# Altium PCB LimeSDR-USB_1v4.PcbDoc (part 10 of 10)
Units mm, origin at the board's own origin, x right, y up, seen from the top; angles counter-clockwise.
Board outline 100 x 60 mm, 12 copper layers (Top, L2, L3, L4, L5, L6, L7, L8, L9, L10, L11, Bottom), stack 1.58 mm thick; 858 components, 627 nets, 4063 pads, 2099 vias.
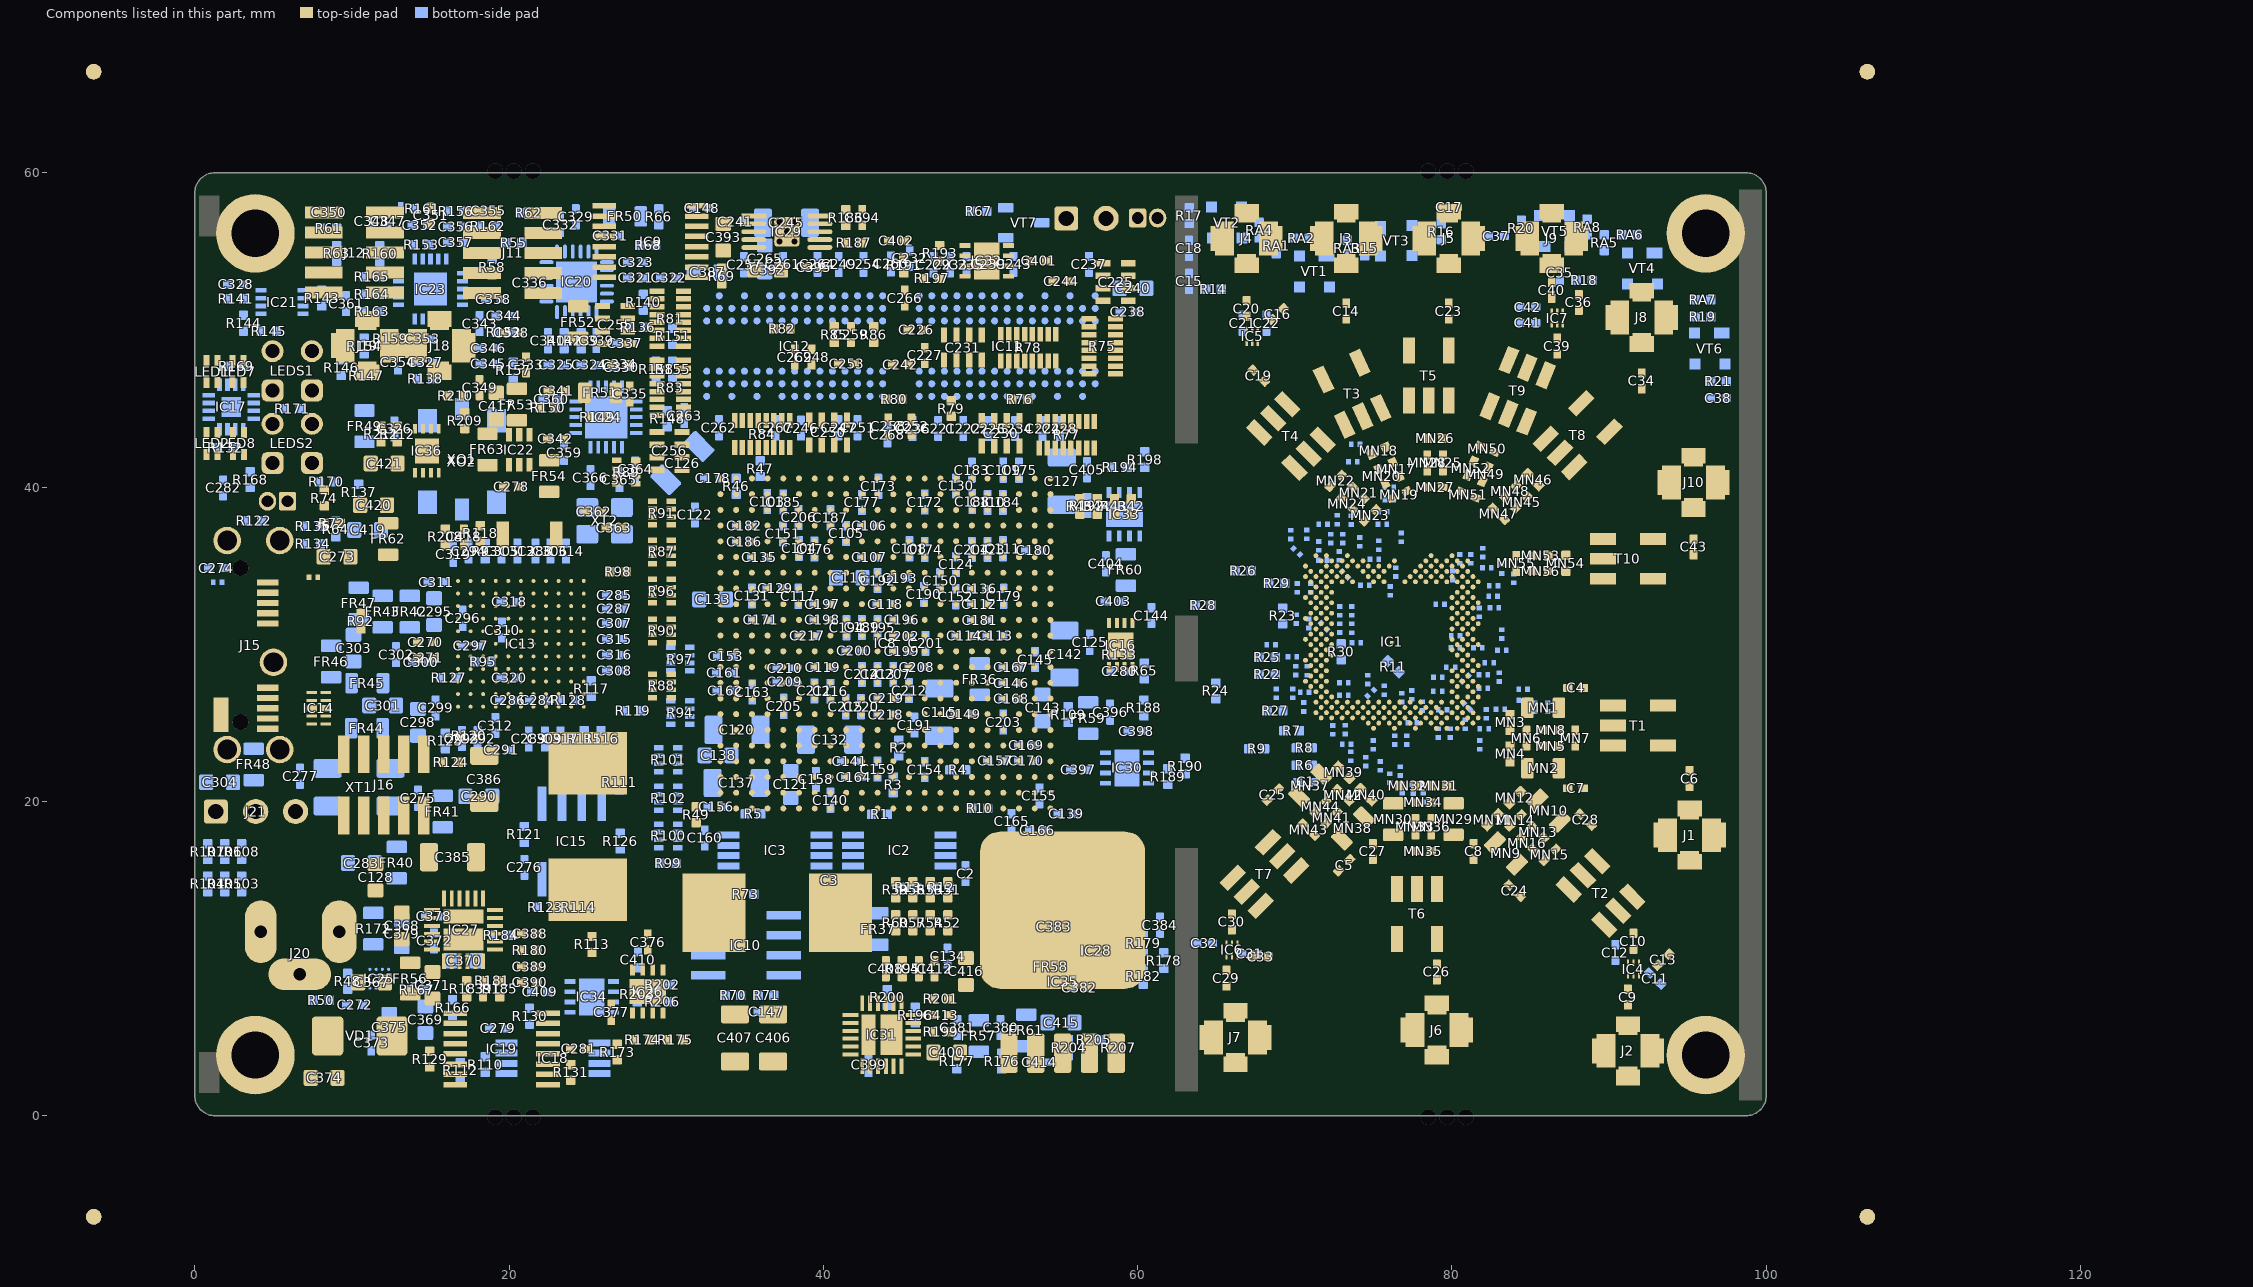
[diagram p20: the components of this part, seen from the top]

## Other copper (continued)
L10:
  pour cut-out: 72.46,44.564 73.167,43.046 73.87,43.374 73.162,44.892
  pour cut-out: 74.76,45.639 75.467,44.121 76.17,44.449 75.462,45.967
  pour cut-out: 74.84,47.311 74.132,48.829 73.43,48.501 74.138,46.983
  pour cut-out: 86.017,46.2 86.658,47.747 85.941,48.044 85.301,46.496
  pour cut-out: 84.8,43.262 85.441,44.809 84.725,45.106 84.084,43.558
  pour cut-out: 82.453,44.234 83.094,45.781 82.378,46.078 81.737,44.53
  pour cut-out: 68.665,45.582 69.85,44.398 70.398,44.946 69.213,46.13
  pour cut-out: 70.842,40.911 69.657,42.096 69.109,41.548 70.294,40.363
  pour cut-out: 72.638,42.707 71.453,43.892 70.905,43.344 72.09,42.159
  pour cut-out: 79.408,49.514 79.408,47.839 80.183,47.839 80.183,49.514
  pour cut-out: 76.868,46.334 76.868,44.659 77.643,44.659 77.643,46.334
  pour cut-out: 80.184,44.671 80.184,46.346 79.409,46.346 79.409,44.671
  pour cut-out: 90.338,44.389 89.154,43.205 89.702,42.657 90.886,43.841
  pour cut-out: 85.667,42.212 86.851,43.397 86.303,43.945 85.119,42.76
  pour cut-out: 87.463,40.416 88.647,41.601 88.099,42.149 86.915,40.964
  pour cut-out: 91.953,33.78 93.628,33.78 93.628,34.555 91.953,34.555
  pour cut-out: 88.773,33.78 90.448,33.78 90.448,34.555 88.773,34.555
  pour cut-out: 88.773,36.32 90.448,36.32 90.448,37.095 88.773,37.095
  pour cut-out: 92.604,25.705 94.279,25.705 94.279,26.48 92.604,26.48
  pour cut-out: 89.424,23.165 91.099,23.165 91.099,23.94 89.424,23.94
  pour cut-out: 89.424,25.705 91.099,25.705 91.099,26.48 89.424,26.48
  pour cut-out: 88.378,16.499 89.562,15.315 90.11,15.863 88.926,17.047
  pour cut-out: 86.582,14.703 87.766,13.518 88.314,14.066 87.13,15.251
  pour cut-out: 89.728,13.352 90.913,12.168 91.461,12.716 90.276,13.9
  pour cut-out: 78.662,15.255 78.662,13.58 79.437,13.58 79.437,15.255
  pour cut-out: 76.122,15.255 76.122,13.58 76.897,13.58 76.897,15.255
  pour cut-out: 78.662,12.075 78.662,10.4 79.437,10.4 79.437,12.075
  pour cut-out: 67.258,15.113 66.073,13.928 66.621,13.38 67.806,14.565
  pour cut-out: 68.608,18.259 67.424,17.075 67.972,16.527 69.156,17.711
  pour cut-out: 70.404,16.463 69.22,15.279 69.768,14.731 70.952,15.915
  region net VCC1P25_LMS: 61.55,41.925 62.5,41.925 62.975,42.4 62.975,42.825 62.925,42.875 61.55,42.875
  region net VCC1P25_LMS: 64.025,35.425 63.5,34.9 63.5,34.625 63.575,34.55 64.55,34.55 65.075,35.075 65.075,35.425
  text "A" at 96.25,8.825 h0.7
  text "V" at 97.25,8.825 h0.7
  text "L" at 96.725,8.25 h0.7
  text "D" at 96.5,6.925 h0.7
  text "R" at 97.05,6.925 h0.7
L6:
  pour cut-out: 66.144,53.625 66.144,54.825 67.719,54.825 67.719,53.625
  pour cut-out: 72.485,53.625 72.485,54.825 74.06,54.825 74.06,53.625
  pour cut-out: 79.01,53.625 79.01,54.825 80.585,54.825 80.585,53.625
  pour cut-out: 85.56,53.625 85.56,54.825 87.135,54.825 87.135,53.625
  pour cut-out: 91.285,48.6 91.285,49.8 92.86,49.8 92.86,48.6
  pour cut-out: 94.585,38.1 94.585,39.3 96.16,39.3 96.16,38.1
  pour cut-out: 94.335,20.05 94.335,18.85 95.91,18.85 95.91,20.05
  pour cut-out: 90.41,6.325 90.41,5.125 91.985,5.125 91.985,6.325
  pour cut-out: 65.435,7.175 65.435,5.975 67.01,5.975 67.01,7.175
  pour cut-out: 78.25,7.65 78.25,6.45 79.825,6.45 79.825,7.65
  pour cut-out: 72.46,44.564 73.167,43.046 73.87,43.374 73.162,44.892
  pour cut-out: 74.76,45.639 75.467,44.121 76.17,44.449 75.462,45.967
  pour cut-out: 74.84,47.311 74.132,48.829 73.43,48.501 74.138,46.983
  pour cut-out: 86.017,46.2 86.658,47.747 85.941,48.044 85.301,46.496
  pour cut-out: 84.8,43.262 85.441,44.809 84.725,45.106 84.084,43.558
  pour cut-out: 82.453,44.234 83.094,45.781 82.378,46.078 81.737,44.53
  pour cut-out: 68.665,45.582 69.85,44.398 70.398,44.946 69.213,46.13
  pour cut-out: 70.842,40.911 69.657,42.096 69.109,41.548 70.294,40.363
  pour cut-out: 72.638,42.707 71.453,43.892 70.905,43.344 72.09,42.159
  pour cut-out: 79.408,49.514 79.408,47.839 80.183,47.839 80.183,49.514
  pour cut-out: 76.868,46.334 76.868,44.659 77.643,44.659 77.643,46.334
  pour cut-out: 80.184,44.671 80.184,46.346 79.409,46.346 79.409,44.671
  pour cut-out: 90.338,44.389 89.154,43.205 89.702,42.657 90.886,43.841
  pour cut-out: 85.667,42.212 86.851,43.397 86.303,43.945 85.119,42.76
  pour cut-out: 87.463,40.416 88.647,41.601 88.099,42.149 86.915,40.964
  pour cut-out: 91.953,33.78 93.628,33.78 93.628,34.555 91.953,34.555
  pour cut-out: 88.773,33.78 90.448,33.78 90.448,34.555 88.773,34.555
  pour cut-out: 88.773,36.32 90.448,36.32 90.448,37.095 88.773,37.095
  pour cut-out: 92.604,25.705 94.279,25.705 94.279,26.48 92.604,26.48
  pour cut-out: 89.424,23.165 91.099,23.165 91.099,23.94 89.424,23.94
  pour cut-out: 89.424,25.705 91.099,25.705 91.099,26.48 89.424,26.48
  pour cut-out: 88.378,16.499 89.562,15.315 90.11,15.863 88.926,17.047
  pour cut-out: 86.582,14.703 87.766,13.518 88.314,14.066 87.13,15.251
  pour cut-out: 89.728,13.352 90.913,12.168 91.461,12.716 90.276,13.9
  pour cut-out: 78.662,15.255 78.662,13.58 79.437,13.58 79.437,15.255
  pour cut-out: 76.122,15.255 76.122,13.58 76.897,13.58 76.897,15.255
  pour cut-out: 78.662,12.075 78.662,10.4 79.437,10.4 79.437,12.075
  pour cut-out: 67.258,15.113 66.073,13.928 66.621,13.38 67.806,14.565
  pour cut-out: 68.608,18.259 67.424,17.075 67.972,16.527 69.156,17.711
  pour cut-out: 70.404,16.463 69.22,15.279 69.768,14.731 70.952,15.915
  region net VCC2P5: 26.75,2.05 27.525,2.05 27.775,2.3 27.775,3.225 27.6,3.4 26.725,3.4 26.55,3.225 26.55,2.25
L7:
  pour cut-out: 72.46,44.564 73.167,43.046 73.87,43.374 73.162,44.892
  pour cut-out: 74.76,45.639 75.467,44.121 76.17,44.449 75.462,45.967
  pour cut-out: 74.84,47.311 74.132,48.829 73.43,48.501 74.138,46.983
  pour cut-out: 86.017,46.2 86.658,47.747 85.941,48.044 85.301,46.496
  pour cut-out: 84.8,43.262 85.441,44.809 84.725,45.106 84.084,43.558
  pour cut-out: 82.453,44.234 83.094,45.781 82.378,46.078 81.737,44.53
  pour cut-out: 68.665,45.582 69.85,44.398 70.398,44.946 69.213,46.13
  pour cut-out: 70.842,40.911 69.657,42.096 69.109,41.548 70.294,40.363
  pour cut-out: 72.638,42.707 71.453,43.892 70.905,43.344 72.09,42.159
  pour cut-out: 79.408,49.514 79.408,47.839 80.183,47.839 80.183,49.514
  pour cut-out: 76.868,46.334 76.868,44.659 77.643,44.659 77.643,46.334
  pour cut-out: 80.184,44.671 80.184,46.346 79.409,46.346 79.409,44.671
  pour cut-out: 90.338,44.389 89.154,43.205 89.702,42.657 90.886,43.841
  pour cut-out: 85.667,42.212 86.851,43.397 86.303,43.945 85.119,42.76
  pour cut-out: 87.463,40.416 88.647,41.601 88.099,42.149 86.915,40.964
  pour cut-out: 91.953,33.78 93.628,33.78 93.628,34.555 91.953,34.555
  pour cut-out: 88.773,33.78 90.448,33.78 90.448,34.555 88.773,34.555
  pour cut-out: 88.773,36.32 90.448,36.32 90.448,37.095 88.773,37.095
  pour cut-out: 92.604,25.705 94.279,25.705 94.279,26.48 92.604,26.48
  pour cut-out: 89.424,23.165 91.099,23.165 91.099,23.94 89.424,23.94
  pour cut-out: 89.424,25.705 91.099,25.705 91.099,26.48 89.424,26.48
  pour cut-out: 88.378,16.499 89.562,15.315 90.11,15.863 88.926,17.047
  pour cut-out: 86.582,14.703 87.766,13.518 88.314,14.066 87.13,15.251
  pour cut-out: 89.728,13.352 90.913,12.168 91.461,12.716 90.276,13.9
  pour cut-out: 78.662,15.255 78.662,13.58 79.437,13.58 79.437,15.255
  pour cut-out: 76.122,15.255 76.122,13.58 76.897,13.58 76.897,15.255
  pour cut-out: 78.662,12.075 78.662,10.4 79.437,10.4 79.437,12.075
  pour cut-out: 67.258,15.113 66.073,13.928 66.621,13.38 67.806,14.565
  pour cut-out: 68.608,18.259 67.424,17.075 67.972,16.527 69.156,17.711
  pour cut-out: 70.404,16.463 69.22,15.279 69.768,14.731 70.952,15.915
Bottom:
  region net GND: 99.775,55.675 99.775,58.725 96.5,58.725 98.455,55.675
  region net VCC3P3_CLK: 24.85,46.775 24.95,46.675 24.95,46.125 24.65,45.825 24.65,45.25 23.825,45.25 22.875,45.25 22.875,46.125 23.525,46.775
  region net VCC1P8: 29.961,9.186 30.15,9.375 31.175,9.375 31.35,9.2 31.35,8.025 31.2,7.875 30.072,7.875 29.961,7.986
  region net VCC_INT: 11.4,35.475 12.4,34.475 13.75,34.475 14.05,34.775 14.05,35.625 13.55,36.125 13.55,36.5 12.175,37.875 11.4,37.875
  region net NetC397_2: 57.475,22.125 57.475,22.625 57.6,22.75 58.3,22.75 58.4,22.85 58.4,23.275 58.3,23.375 57.075,23.375 56.375,22.675 56.375,22.125
  region net NetC398_2: 60.35,22.775 61.05,22.775 61.458,22.367 61.458,21.958 61.641,21.775 62.05,21.775 62.275,21.775 62.425,21.925 62.425,23.55 62.025,23.95 60.575,23.95 60.35,23.725
  region net NetC397_2: 57.475,22.125 57.475,21.625 57.6,21.5 58.3,21.5 58.4,21.4 58.4,20.975 58.3,20.875 57.075,20.875 56.375,21.575 56.375,22.125
  region net NetC373_1: 11.538,14.088 9.362,14.087 8.9,13.625 8.9,11.125 10.25,11.125 10.725,11.6 11.925,11.6 12.175,11.85 12.175,13.45
  region net VCC_INT: 13.013,9.513 13.013,9.987 12.25,10.75 12.25,11.175 15.975,11.175 16.7,10.45 16.7,9.25 16.25,8.8 13.725,8.8
  region net NetC367_2: 11.725,8.75 12,8.75 12.425,8.325 13.125,8.325 13.4,8.6 13.4,8.85 13.075,9.175 12.6,9.175 12.5,9.075 11.725,9.075
  region net GND: 98.15,58.73 98.15,1.27 99.716,1.27 99.716,58.73
  region net VCC1P8_DDR2: 36.725,57.75 36.35,58.125 34.85,58.125 34.8,58.075 34.8,56.1 34.975,55.925 36.625,55.925 36.725,56.025
  region net VDIO_LMS_LMK: 22.9,56.7 22.9,56.025 23.35,55.575 23.35,54.575 23.425,54.5 23.65,54.5 23.725,54.575 23.725,55.35 23.925,55.55 23.925,56.1 24.237,56.412 24.237,56.987 23.887,56.987 23.6,56.7
  region net VCC_INT: 14.225,7.075 14.175,7.125 14.175,8.8 14.625,9.25 16.7,9.25 17.15,8.8 17.15,7.475 16.75,7.075
  region net VCC_EXT: 10.1,4.275 10.1,5.975 9.875,6.2 7.1,6.2 6.875,5.975 6.875,4.05 7.15,3.775 9.6,3.775
  region net NetC416_2: 52.25,6.925 52.175,6.85 52.175,5.525 52.425,5.275 53.45,5.275 53.575,5.4 53.575,6.875 53.525,6.925
  region net VDD_FX3: 1.475,22.125 4.275,22.125 4.5,21.9 4.5,21.025 4.175,20.7 1.662,20.7 1.475,20.887
  region net VCC_EXT: 12.788,9.963 12.325,10.425 12.012,10.738 12.012,11.237 11.95,11.3 11.35,11.3 10.725,11.3 10.675,11.25 10.675,10.475 10.45,10.25 10.45,9.7 10.625,9.525 11.325,9.525 11.538,9.313
  region net GND: 10.987,9.113 11.163,9.113 11.238,9.038 11.238,7.713 11.163,7.638 10.688,7.638 10.55,7.775 10.55,8.675
  region net VCC5P0_USB: 11.338,7.363 11.338,8.213 11.438,8.313 12.013,8.313 12.113,8.213 12.438,8.213 12.638,8.013 13.613,8.013 13.613,7.363 13.513,7.263 11.438,7.263
  region net VCC_EXT: 11.338,9.963 11.338,9.238 11.388,9.188 12.463,9.188 12.788,9.513 12.788,9.963
  region net VCC1P8_LMS: 62.1,9.555 62.1,7.2 61.9,7 61.125,7 60.925,7.2 60.925,8 60.925,9.535 61.054,9.664 61.991,9.664
  region net VCC1P2D_FPGA: 37.425,21.925 37.425,22.025 37.1,22.35 37.25,22.5 37.25,23.325 37.825,23.325 37.925,23.225 37.925,21.925
  region net VCC2P5A_FPGA: 44.1,13.375 44.45,13.025 49.525,13.025 49.675,12.875 49.675,11.1 49.475,10.9 45.35,10.9 44.225,12.025 43.05,12.025 42.825,12.25 42.825,13.225 42.975,13.375
  region net VCC2P5: 42.95,10.025 44.15,10.025 44.8,10.675 44.8,11.275 44.175,11.9 43.275,11.9 42.825,11.45 42.825,10.15
  region net VCC2P5: 49.225,3.275 49.4,3.1 49.4,2.225 49.05,1.875 47.95,1.875 47.6,2.225 47.625,2.25 47.625,3.075 47.825,3.275
  region net VCC3P3: 47.55,56.2 47.55,57.975 47.2,58.325 46.2,58.325 46.075,58.2 46.075,56.6 46.475,56.2
  region net VCC1P25_LMS: 78.575,25.925 77.95,25.925 77.775,25.75 77.775,25.35 77.6,25.175 77.6,24.05 77.275,23.725 76.975,23.725 76.825,23.575 76.825,23.225 77.425,22.625 78.925,22.625 79.25,22.95 79.25,23.35 78.575,24.025
  region net NetC68_1: 75.875,21.6 75.875,22.55 75.775,22.65 75.925,22.8 75.975,22.8 76.575,22.2 76.7,22.2 76.25,21.75 76.25,21.6
  region net VCC1P25_LMS: 82.075,29.6 82.675,30.2 82.75,30.2 82.75,30.752 82.689,30.814 81.325,30.814 81.325,30.425 81.775,29.975 81.775,29.6
  region net VCC1P25_LMS: 72.625,38.875 73.25,38.875 73.775,38.35 73.775,38.05 72.825,38.05 72.651,38.224
  region net NetIC35_5: 57.4,4.525 57.4,5.1 58.075,5.775 58.075,6.125 58.25,6.3 59,6.3 59.15,6.15 59.15,4.575 59.1,4.525 57.875,4.525
  region net NetC415_2: 55.3,4.525 55.3,6.6 55.375,6.675 57.075,6.675 57.4,6.35 57.4,5.45 57,5.05 57,4.525
  region net +1.8V_DIG_LMK: 20.8,49.088 20.8,48.525 21,48.325 21.7,48.325 21.75,48.375 21.75,49.088
  region net GND: 75.801,34.33 75.951,34.48 76.551,34.48 76.551,34.155 76.376,33.98 75.926,33.98
  region net NetC86_1: 75.626,35.105 75.626,35.63 75.726,35.73 76.001,35.73 76.026,35.705 76.026,35.405 75.801,35.18 75.683,35.062
  region net VDIO_LMS: 72.176,28.73 72.726,29.28 72.976,29.28 72.976,28.755 72.576,28.355 72.376,28.355 72.176,28.555
  region net NetC48_1: 73.001,32.88 72.401,32.88 72.201,32.68 72.201,32.58 72.501,32.28 73.001,32.28
  region net GND: 71.348,32.984 71.348,32.151 71.151,31.955 70.226,31.955 70.201,31.98 70.201,33.18 70.301,33.28 71.052,33.28
  region net GND: 76.926,27.88 76.926,27.355 78.551,27.355 78.551,27.88
  region net NetC99_1: 69.938,35.842 70.451,36.355 70.451,36.655 70.451,36.78 70.351,36.88 69.226,36.88 69.201,36.855 69.201,36.58
  region net GND: 73.903,30.887 74.478,30.312 74.478,29.912 74.328,29.762 73.453,29.762 73.453,28.712 72.778,28.037 72.953,27.862 73.528,28.437 75.728,28.437 75.403,28.762 75.403,29.012 75.828,29.437 76.003,29.437 76.778,28.662 77.428,28.012 78.428,28.012 78.603,28.187 79.228,28.187 79.228,30.562 79.703,31.037 79.703,32.212 78.853,32.212 78.728,32.337 78.728,32.737 78.853,32.862 79.303,32.862 79.703,33.262 79.703,36.173 79.703,40.649 77.553,40.649 77.553,33.937 77.553,34.237 76.928,33.612 76.928,33.312 76.803,33.187 75.578,33.187 75.378,33.387 73.903,33.387
  region net NetIC21_2: 6.55,52.175 6.55,51.375 7.25,51.375 7.25,52.175
  region net NetC328_2: 3.85,51.375 3.85,52.675 4.55,52.675 4.55,51.375
  region net GND: 12.05,50.245 11.92,50.245 11.175,49.5 11.175,48.875 11.2,48.85 12.05,48.85
  region net GND: 11.975,50.075 12.2,50.075 12.2,49.875 11.975,49.875
  region net GND: 15.85,54.025 16.6,54.025 16.6,51.175 15.85,51.175
  region net NetC346_2: 15.35,51.05 15.35,49.925 16.55,49.925 16.55,51.05
  region net GND: 13.55,53.65 14.3,53.65 14.3,51.4 13.55,51.4
  region net GND: 13.475,51.45 13.475,50 13.5,49.975 14.65,49.975 14.65,51.45
  region net VCC3P3_CLK: 14.65,54.15 14.65,54.975 14.15,54.975 14.15,55.925 13.475,55.925 13.475,54.15
  region net +1.8V_DIG_LMK: 20.8,49.088 21.75,49.088 22.15,49.488 22.725,49.488 23,49.763 23,51.563 22.875,51.563 20.8,49.488
  region net NetC378_2: 15.4,12.425 15.4,12.925 18.125,12.925 18.225,12.825 18.225,12.525 18.125,12.425
  region net NetC399_2: 43.125,3.45 42.625,3.45 42.625,6.175 42.725,6.275 43.025,6.275 43.125,6.175
  region net GND: 1.25,59.775 98.8,59.775 98.8,58.475 1.25,58.475
  region net GND: 1.25,0.225 98.8,0.225 98.8,1.525 1.25,1.525
  region net NetC302_1: 15.825,30.1 16.05,30.325 16.525,30.325 16.65,30.45 16.65,30.9 16.525,31.025 16.025,31.025 15.875,30.875 15.875,30.775 15.775,30.675 15.575,30.675 15.375,30.475 15.8,30.05 15.825,30.05
  region net VDIO_LMS: 33.275,15.675 33.275,17.425 34.7,17.425 34.7,15.675
  region net VCC1P8_FX3: 11.925,15.5 11.925,15.925 12.1,16.1 13.275,16.1 13.55,16.375 13.55,17.5 13.4,17.65 11.475,17.65 11,17.175 11,15.6 11.1,15.5
  region net VCC1P8: 12.175,13.75 12.175,15.425 12.275,15.525 13.4,15.525 13.6,15.325 13.6,13.9 13.45,13.75
  region net VCC3P3: 15.025,18.75 15.175,18.9 17.85,18.9 18.25,18.5 18.25,17.975 17.925,17.65 15.2,17.65 15.025,17.825
  region net VDIO_LMS_FPGA: 48.2,4.475 48.2,3.7 48.4,3.5 49.675,3.5 49.675,3.475 50,3.15 50.75,3.15 51.275,3.675 51.7,3.675 51.7,4.325 51.55,4.475
  region net NetC99_1: 69.938,35.842 69.796,35.7 69.225,35.7 69.201,35.724 69.201,36.855
  region net VCC3P3: 52.075,3.275 52.25,3.45 52.25,4.95 52.375,5.075 53.425,5.075 53.575,4.925 53.575,4.225 53.575,1.975 53.525,1.925 51.25,1.925 50.925,2.25 50.925,3.05 51.15,3.275
  region net VCC5P0_USB: 11.775,6.025 11.338,6.462 11.338,7.363 13.612,7.363 13.613,7.363 13.613,6.663 12.975,6.025
  region net VCC3P3: 58.625,33.35 58.975,33.7 60.725,33.7 61.125,33.3 61.125,32.15 61,32.025 58.75,32.025 58.625,32.15
  region net VCC3P3: 58.8,26.25 58.8,29.5 58.625,29.675 56.825,29.675 55.675,28.525 55.15,28 55.15,27.3 56.55,25.9 58.45,25.9
  region net VCC1P25_LMS_DIG: 62.575,31.7 62.825,31.45 63.3,31.45 63.975,32.125 63.975,32.825 62.7,32.825 62.575,32.7
  region net VCC3P3_CLK: 10.25,45.65 10.5,45.9 10.5,46.425 10.65,46.575 11.075,46.575 11.3,46.35 11.3,45.2 11.025,44.925 10.25,44.925
  region net VCC1P25_LMS_DIG: 55.25,4.175 55.25,2.525 56.1,1.675 60.225,1.675 60.55,2 60.55,3.35 60.25,3.65 59.55,3.65 59.175,3.275 57.675,3.275 56.775,4.175
  region net VDIO_LMS_FPGA: 28.625,57.875 28.8,57.7 28.8,56.5 28.7,56.4 27.825,56.4 27.6,56.625 27.6,57.775 27.7,57.875
  region net GND: 98.9,2.575 96.95,2.575 96.95,1.225 98.9,1.225
  region net GND: 0.225,4.5 0.225,1.45 3.5,1.45 1.545,4.5
  region net GND: 0.225,55.675 0.225,58.725 3.5,58.725 1.545,55.675
  region net NetC383_2: 55.5,10.5 55.5,10 55.625,9.875 56.325,9.875 56.425,9.775 56.425,9.35 56.325,9.25 55.1,9.25 54.24,10.11 54.24,10.5
  region net NetC383_2: 55.5,10.5 55.5,11 55.625,11.125 56.325,11.125 56.425,11.225 56.425,11.704 56.315,11.814 54.39,11.814 54.24,11.664 54.24,10.5
  region net NetC384_2: 60.715,11.089 60.965,10.839 60.965,10.214 61.115,10.064 62.015,10.064 62.19,10.239 62.19,11.439 61.54,12.089 58.54,12.089 58.34,11.889 58.34,11.314 58.565,11.089
  region net VCC3P3: 53.715,8.889 53.715,7.56 54.325,6.95 55.675,6.95 56.09,7.365 56.09,8.489 55.69,8.889
  region net NetC397_2: 56.1,24.7 56.1,22.95 56.425,22.625 57.475,22.625 57.6,22.75 57.875,22.75 58.4,23.275 57.6,24.075 57.6,24.7
  region net NetC398_2: 60.35,23.25 60.35,23.425 59.875,23.9 59.875,25.675 59.95,25.75 60.75,25.75 60.825,25.675 60.825,24.625 61.375,24.075 61.9,24.075 62.1,23.875 62.1,23.25
  region net VCC1P4_LMS: 60.05,26.15 63.275,26.15 63.4,26.275 63.4,27.2 63.25,27.35 60.675,27.35 60.05,26.725
  region net NetC404_2: 59.15,36.425 59.65,36.425 59.775,36.55 59.775,37.25 59.875,37.35 60.3,37.35 60.4,37.25 60.4,36.025 59.7,35.325 59.15,35.325
  region net NetC404_2: 59.15,36.425 58.65,36.425 58.525,36.55 58.525,37.25 58.425,37.35 58,37.35 57.9,37.25 57.9,35.375 57.95,35.325 59.15,35.325
  region net NetC405_2: 58.65,41.6 57.825,41.6 57.125,40.9 56.425,40.9 56.425,39.025 57.525,39.025 57.725,39.225 58.325,39.225 58.475,39.375 58.475,40.125 58.675,40.325 58.65,40.35 58.65,40.9
  region net VCC1P25_LMS: 57.125,38.625 57.425,38.325 57.425,37.175 56.75,36.5 56.125,36.5 55.9,36.725 55.9,37.825 56.225,38.15 56.225,38.425 56.425,38.625
  region net VCC3P3: 23.41,7.561 23.41,7.061 23.535,6.936 24.235,6.936 24.335,6.836 24.335,6.411 24.235,6.311 23.01,6.311 22.15,7.171 22.15,7.561
  region net VCC3P3: 23.41,7.561 23.41,8.061 23.535,8.186 24.235,8.186 24.335,8.286 24.335,8.711 24.235,8.811 23.01,8.811 22.15,7.951 22.15,7.561
  region net NetC410_2: 26.2,8.35 26.35,8.2 27.2,8.2 27.475,7.925 29.475,7.925 29.575,8.025 29.575,9.275 29.125,9.725 27.4,9.725 26.7,9.025 26.425,9.025 26.2,8.8
  region net GND: 79.7,36.225 81.2,37.725 86.925,37.725 90.375,41.175 90.375,42.6 92.825,45.05 92.825,49.2 90.475,51.55 88,51.55 87.65,51.2 87.65,50.15 87.375,49.875 83.725,49.875 82.05,51.55 69.125,51.55 68.825,51.25 68.825,49.275 68.4,48.85 66.475,48.85 66.05,49.275 66.05,51.25 65.75,51.55 60.603,51.55 60.596,46.289 70.361,46.289 72.7,43.95 74.263,43.95 77.575,40.638 77.575,36.225
  region net NetC322_2: 9.1,47.4 10.45,47.4 10.45,46.8 9.1,46.8
  region net REF_CLK_OUT: 30.7,49.175 30.7,47.975 30.1,47.975 30.1,48.325 29.975,48.45 29.975,48.7 30.1,48.825 30.1,49.175
  region net GND: 75.175,27.425 75.4,27.2 76,27.2 76.35,27.55 76.35,27.815 75.715,28.45 74.975,28.45 74.95,28.425 74.95,27.525 75.05,27.425
  region net VDIO_LMS_LMK: 24.25,57 24.95,57 25.825,57.875 26.25,57.875 26.25,56 25.25,56
  region net GND: 98.541,59.775 98.741,59.775 cw(c98.741,58.75) 99.766,58.75 99.766,58.475 98.541,58.475
  region net GND: 1.45,59.775 1.25,59.775 ccw(c1.25,58.75) 0.225,58.75 0.225,58.475 1.45,58.475
  region net GND: 1.45,0.225 1.25,0.225 cw(c1.25,1.25) 0.225,1.25 0.225,1.525 1.45,1.525
  region net GND: 98.491,0.225 98.691,0.225 ccw(c98.691,1.25) 99.716,1.25 99.716,1.525 98.491,1.525

## Silkscreen, mask and mechanical layers (free items; w line width, h text height)
TopOverlay:
  drawing of 2398 lines, arcs and shapes, not listed
  text "3.3V FAN" at 47.85,57.35 h0.75
  text "J13,J14" at 48.4,56 h0.75
  text "3.3V" at 56.85,54.875 h0.55
  text "3.3V" at 60.075,54.85 h0.55
  text "RX1_L" at 77.425,53.9 h0.9 r90
  text "RX1_W" at 84,53.875 h0.9 r90
  text "RX1_H" at 71,53.85 h0.9 r90
  text "RX2_H" at 90.775,53.725 h0.9 r90
  text "FPGA" at 14.875,52.425 h0.7 r90
  text "GPIO" at 15.95,52.4 h0.7 r90
  text "FX3" at 4.775,50.825 h0.6 r90
  text "PWR" at 5.675,50.825 h0.6 r90
  text "LEDS1" at 3.425,50.4 h0.55 r90
  text "LEDS2" at 6.8,50.375 h0.55 r90
  text "FPGA" at 17.95,50.35 h0.7
  text "JTAG" at 20.875,50.35 h0.7
  text "FPGA1" at 1.375,50.2 h0.6 r90
  text "FPGA2" at 2.3,50.2 h0.6 r90
  text "RX2_L" at 96.375,49.05 h0.9 r90
  text "FPGA" at 57.15,45.525 h0.62
  text "MSEL" at 59.85,45.525 h0.62
  text "IN" at 10.275,45.225 h0.65
  text "OUT" at 13.45,45.225 h0.65
  text "REF" at 10.225,44.175 h0.75
  text "CLK" at 12.8,44.175 h0.75
  text "RX2_W" at 96.325,42.775 h0.9 r90
  text "FX3 BOOT" at 0.2,37.95 h0.7
  text "FX3" at 19.125,37.9 h0.75
  text "RST" at 21.6,37.9 h0.75
  text "1" at 59,37 h0.55 r90
  text "3" at 56.8,36.9 h0.55 r90
  text "2" at 57.9,36.9 h0.55 r90
  text "0" at 60.075,36.9 h0.55 r90
  text "BOM_VER" at 61.6,36.45 h0.55 r90
  text "o" at 58.7,32.925 h1.2 r90
  text "t" at 59.516,32.193 h2.1 r90
  text "v1.4" at 98.05,27.85 h2.5 r90
  text "USB3.0" at 8.725,27.625 h0.9 r90
  text "FX3 JTAG" at 10.325,24.675 h0.8
  text "LMS7002M" at 84.525,24.4 h0.9 r90
  text "LimeSDR-USB" at 68.925,22.25 h2.6 r90
  text "ALTERA CYCLONE IV" at 57.125,21.025 h0.9 r90
  text "FPGA MSEL" at 43.125,16.925 h0.75
  text "VCC" at 2.725,16.375 h0.75
  text "VCC" at 5.4,16.375 h0.75
  text "GND" at 0.225,16.35 h0.75
  text "3" at 44.175,15.6 h0.75
  text "2" at 45.3,15.6 h0.75
  text "1" at 46.475,15.6 h0.75
  text "0" at 47.45,15.6 h0.75
  text "EXT" at 2.7,15.1 h0.75
  text "INT" at 5.5,15.1 h0.75
  text "0" at 48.6,14.475 h0.75
  text "TX1_1" at 96.025,11.35 h0.9 r90
  text "1" at 48.75,11.3 h0.75
  text "6V-12V" at 11.575,9.125 h0.75 r90
  text "TX2_1" at 76.725,2.575 h0.9 r90
  text "TX2_2" at 70.5,2.275 h0.9 r90
  text "TX1_2" at 88.875,1.525 h0.9 r90
BottomOverlay:
  drawing of 796 lines, arcs and shapes, not listed
  text "DDR2" at 31.925,51.7 h0.65
  text "#1" at 31.15,50.725 h0.65
  text "DDR2 #2" at 59.375,50 h0.65 r90
  text "XO1-XO2" at 20.825,43.3 h0.55 r90
  text "components" at 43.075,41.625 h0.55
  text "Unmarked" at 48.6,41.5 h0.55
  text "are cap-s" at 42.475,40.375 h0.55
Mechanical1:
  drawing of 2407 lines, arcs and shapes, not listed
  text "LimeSDR-USB v1.4" at 163.068,99.347 h2.6
  text "CONTROLLED IMPEDANCE" at 153.025,94.325 h3
  text "GENERAL PARAMETERS:" at 129.975,88.625 h1.5
  text "Board Cutout" at 41.525,78.4 h1.5
  text "Top layer copper foil thickness: 17.5 um / Dielectric thickness from Top to L2 = 173um (6.8 mils) / Dielectric between Top layer and 2nd layer relative permittivity (Er): 4.2 /  / Bottom layer copper foil thickness: 17.5 um / Dielectric thickness from L11 to Bottom = 173um (6.8 mils) / Dielectric between L11 layer and Bottom layer relative permittivity (Er): 4.2 / Ground plane distance to trace on Bottom layer: 0.1mm" at 134.425,61.9 h1.5
  text "CALCULATIONS:" at 130.1,60.65 h1.5
  text "RF (Top)" at 114.25,43.2 h2
  text "50 Ohm microstrip (Top layer, no GND) characteristics: /  Top layer copper foil thickness: 17.5 um /  Track width = 0.325 mm (12.795 mils) /  Dielectric thickness from Top to L2 = 173um (6.8 mils) /  Dielectric between Top layer and 2nd layer relative permittivity (Er): 4.2 /          /  Approximate microstrip line impedance = 49.99 Ohms (+/- 10% tolerance)" at 133.6,34.5 h1.5
  text "RF (Top)" at 113.25,16.7 h2
  text "Vendor Logo (bottom)" at 52.325,15.325 h0.7
  text "100 Ohm coupled microstrip line (Top layer) characteristics: /  Top layer copper foil thickness: 17.5 um /  Track width = 0.2 mm (6.8 mils) /  Track spacing = 0.14 mm (5.51 mils) /  Track width/spacing ratio = 1.428 /  Dielectric thickness from top to L2 = 173um (6.8 mils) /  Dielectric between Top layer and 2nd layer relative permittivity (Er): 4.2 /          /  Approximate coupled microstrip line impedance = 100.752 Ohms (+/- 10% tolerance)" at 134.25,5.775 h1.5
  text "RoHS and PCB number (bottom)" at 28.475,3.45 h0.7
  text "RF (Bottom)" at 111.325,-7.425 h2
  text "TH via" at 34.75,-12.275 h1.52
  text "GERBER LAYER NAMES:" at -91.65,-13.675 h1.52
  text "STACKUP:" at -38.6,-14 h3
  text "Top-Bot" at 34.2,-15.35 h1.52
  text "GTP" at -90.55,-17.475 h1.52
  text "Top solder paste" at -85.45,-17.575 h1
  text "GTO" at -90.55,-20.475 h1.52
  text "Silkscreen" at -85.55,-20.775 h1
  text "50 Ohm coplanar waveguide with GND (Bottom layer) characteristics: /  Bottom layer copper foil thickness: 17.5 um /  Track width = 0.254 mm (10 mils) /  Distance to GND: 0.1 mm (3.937 mils) /  Dielectric thickness from Bottom to L11 = 173um (6.8 mils) /  Dielectric between Bottom layer and L11 relative permittivity (Er): 4.2 /          /  Approximate microstrip line impedance = 49.99 Ohms (+/- 10% tolerance)" at 134.4,-21.325 h1.5
  text "ELECTRICAL LAYERS:" at 48.75,-21.775 h1.52
  text "GTS" at -90.55,-22.975 h1.52
  text "Soldermask (halogen free)" at -85.55,-24.275 h1
  text "Top: RF/GND" at 49.425,-25.25 h1.52
  text "GTL" at -90.55,-25.475 h1.52
  text "0.5oz+plating" at -85.55,-25.975 h1
  text "6.8mil" at -59.9,-28.15 h1
  text "PP" at -63.25,-28.275 h1
  text "G1" at -90.55,-29.975 h1.52
  text "0.1oz" at -85.55,-30.175 h1
  text "L2: GND" at 49.45,-30.275 h1.52
  text "CORE" at -63.25,-32.775 h1
  text "USB3.0 (Top)" at 110.5,-32.975 h2
  text "G2" at -90.55,-34.475 h1.52
  text "0.1oz" at -85.55,-34.675 h1
  text "L3: PWR/Signal/GND" at 49.45,-34.775 h1.52
  text "PP" at -63.25,-37.275 h1
  text "G3" at -90.55,-38.975 h1.52
  text "0.1oz" at -85.55,-39.175 h1
  text "L4: Signal/PWR/GND" at 49.45,-39.275 h1.52
  text "CORE" at -63.25,-41.775 h1
  text "G4" at -90.55,-43.475 h1.52
  text "0.1oz" at -85.55,-43.675 h1
  text "L5: PWR/GND" at 49.55,-43.775 h1.52
  text "PP" at -63.25,-46.275 h1
  text "90 Ohm coupled microstrip line (Top layer, without GND) characteristics: /  Top layer copper foil thickness: 17.5 um /  Track width = 0.2 mm (6.8 mils) /  Track spacing = 0.1 mm (3.93 mils) /  Track width/spacing ratio = 2 /  Dielectric thickness from Top to 2nd layer = 173um (6.8 mils) /  Dielectric between Top layer and 2nd layer relative permittivity (Er): 4.2 /          /  Approximate coupled microstrip line impedance = 90.5 Ohms (+/- 10% tolerance)" at 133.575,-46.875 h1.5
  text "G5" at -90.55,-47.975 h1.52
  text "L6: Signal/GND" at 49.45,-48.125 h1.52
  text "0.1oz" at -85.55,-48.175 h1
  text "CORE" at -63.25,-50.775 h1
  text "G6" at -90.55,-52.475 h1.52
  text "L7: GND" at 49.55,-52.625 h1.52
  text "0.1oz" at -85.55,-52.675 h1
  text "VERY IMPORTANT NOTES:" at 135.875,-54.75 h3
  text "PP" at -63.25,-55.275 h1
  text "G7" at -90.55,-56.975 h1.52
  text "L8: Signal" at 49.375,-57.1 h1.52
  text "0.1oz" at -85.55,-57.175 h1
  text "CORE" at -63.25,-59.775 h1
  text "G8" at -90.55,-61.475 h1.52
  text "0.1oz" at -85.55,-61.675 h1
  text "L9: Signal" at 49.475,-61.675 h1.52
  text "PP" at -63.25,-64.275 h1
  text "G9" at -90.55,-65.975 h1.52
  text "0.1oz" at -85.55,-66.175 h1
  text "L10: CLK/Signal" at 49.55,-66.325 h1.52
  text "CORE" at -63.25,-68.775 h1
  text "G10" at -90.55,-70.475 h1.52
  text "0.1oz" at -85.55,-70.675 h1
  text "L11: GND" at 49.5,-71 h1.52
  text "6.8mil" at -59.725,-73.225 h1
  text "PP" at -63.25,-73.275 h1
  text "GBL" at -90.55,-74.975 h1.52
  text "Bottom: Signal/PWR/GND" at 49.5,-75 h1.52
  text "0.5oz+plating" at -85.55,-75.475 h1
  text "GBS" at -90.55,-77.475 h1.52
  text "Soldermask (halogen free)" at -85.55,-78.675 h1
  text "ADDITIONAL LAYERS:" at 51.75,-79.275 h1.52
  text "GBO" at -90.55,-79.975 h1.52
  text "Silkscreen" at -85.55,-80.175 h1
  text "GBP" at -90.55,-82.975 h1.52
  text "Bottom solder paste" at -85.55,-83.175 h1
  text "Mechanical 1: Board cutout" at 54.45,-83.475 h1.52
  text "Via type #1" at -8.5,-85.975 h1.52
  text "ASM TOP: Assembly top" at 54.45,-86.475 h1.52
  text "0.2mm drill / 0.4mm ring" at 32.75,-88.275 h1.2
  text "ASM BOT: Assembly bottom" at 54.45,-89.475 h1.52
  text "Total PCB thicknes: 1.6mm +/- 10%" at -66.925,-89.65 h1.52
  text "Mechanical 13: Component 3D body" at 54.45,-92.475 h1.52
  text "0.2mm drill / 0.31mm ring" at 32.75,-94.275 h1.2
  text "Via type #2 (In pad, resin filled with metal cap)" at -9,-94.65 h1.52
  text "1) 0.31mm ring and 0.2mm drill via-in-pads (IC1) must be resin filled with metal cap / 2) Solder mask : DARK BLUE, both sides, halogen free, glossy finish (NOT matte) / 3) Silkscreen : white epoxy ink, halogen free, both sides. No silkscreen on pads. / 4) DRCs must be run on Gerber files before building boards / 5) Hole diameters are final manufactured diameters INCLUDING HOLE METALIZATION. / 6) Minimum track spacing: 0.1 mm /    Minimum track width: 0.1 mm / 7) There are plated and non-plated holes on the PCB / 8) Material: /    IT-180A /    PCB vendor to silkscreen UL and RoHS compliance marks, vendor logo and date code on bottom where shown /    Copper weight:  External layers 0.5 oz+plating /                    Internal layers 1 oz / 9) Electrical test : 100 % netlist. / 10) Boards are to be individually bagged." at 109.2,-98.575 h1.5
ASM BOT:
  drawing of 903 lines, arcs and shapes, not listed
  text "IC20" at 25.275,66.575 h1
  text "IC23" at 16.5,66.1 h1
  text "Assembly bottom" at 55.725,60.8 h1.25
  text "or" at 17.975,43.375 h0.55
  text "C120" at -22.3,1.75 h1
ASM TOP:
  circle w0.4: c7.325,26.925 r0.025
  circle w0.4: c-17.6,53 r0.19
  circle w0.4: c-17.6,54.225 r0.19
  lines w0.1: -18.05,51.5 -17.625,51.925 ; -17.625,48.025 -17.625,51.925 ; -17.2,51.5 -17.625,51.925 ; 8.975,7.25 12.625,7.25 13.7,8.325 13.7,8.725 ; 14.775,45.3 16.275,45.575 ; 17.425,40.825 17.8,42.008 18.7,42.475 ; 18.125,46.325 18.35,47.725 ; 18.85,50.475 18.85,45.475 19.175,45.15 ; 20.15,49.825 21.15,50.6 ; 21.075,47.775 21.7,48.05 ; 22.45,45.05 23.5,44.5 ; 22.95,43.075 24.15,42.725 ; 23,46.125 23.5,46.825 ; 25.625,44.45 26.025,43.975 ; 25.975,48 27.025,47.825 ; 44.3,53.65 44.65,53.65 45.125,54.125 ; 46.9,53.275 47.475,52.575 ; -18.2,52.575 -17.875,52.25 -17.325,52.25 -17,52.575 -17,54.8 -18.2,54.8 -18.2,52.575
  lines w0.15: -11.9,42.4 -0.05,42.4 ; -11.8,43.025 -0.075,47.525 ; -5.95,38.825 3.95,38.825 ; -1.6,40.075 1.125,41.425 ; 1.4,48.65 1.5,50.05 ; 1.55,23.575 -10.1,31.775 1.625,36.275 ; 2.375,40.15 2.775,41.4 ; 2.725,48.7 2.825,49.925 ; 5.05,48.15 6.125,50.05 7.575,48.25 ; 5.775,42.15 8.825,42.55 7.375,42.725 ; 14.275,1.775 14.95,3.6 ; 15.125,8.3 15.125,9.925 ; 17.8,35.475 18.175,37.05 ; 40.675,58.35 41.425,57.15 ; 41.925,55.55 42.25,55.025 ; 42.275,58.5 42.475,57.15 ; 43.125,50.875 43.2,49.7 ; 43.35,45.725 44.5,45.6 ; 43.85,8.125 43.225,8.125 43.225,16 43.775,16 49.175,16 49.175,11.075 48.125,11.075 48.125,8.2 47.8,8.2 ; 44.575,51.9 45.175,52.025 ; 45.9,50 46.525,50.625 ; 46.125,16 46.125,18.675 ; 46.45,48.375 46.7,47.2 ; 49.2,9.35 50.3,9.35 ; 89.025,27.9 93.775,29.6 ; 43.375,18.675 48.8,18.675 48.8,26.625 44.95,26.625 43.375,26.625 43.375,18.675
  lines w0.3: 1.275,60 ccw(c1.275,58.73) 0.005,58.73 0.005,1.27 ccw(c1.275,1.27) 1.275,0 98.735,0 ccw(c98.735,1.27) 100.005,1.27 100.005,58.73 ccw(c98.735,58.73) 98.735,60
  lines w0.309: 1.275,60 98.735,60
  text "Assembly top" at 41.175,61.1 h1.25
  text "ASSEMBLY NOTE: / Orientation for throughole LEDs (LED1, LED2, LED7, LED8). / More info in part datasheet" at -24.25,55.2 h0.55
  text "Green Anode" at -24.55,53.95 h0.55
  text "Green Cathode" at -25.925,52.725 h0.55
  text "ASSEMBLY NOTE: / LEDS1 and LEDS2 - for both parts mount throughole LEDs (LED1, LED2, LED7, LED8) in plastic LED holder (LEDS1 and LEDS2). Two LEDs in one holder" at -25.875,40.525 h0.55
  text "ASSEMBLY NOTE: / J17 jumper must be shorted out" at -14.2,36.8 h0.55
  text "ASSEMBLY NOTE: / J15 mechanical mechanical holes must be soldered for mechanical durability." at -25.5,30.675 h0.55
DrillDrawing:
  circle w0.2: c-85.865,105.531 r0.556
  circle w0.2: c-85.865,93.031 r0.333
  circle w0.2: c-85.865,93.031 r0.556
  lines w0.2: -86.42,91.086 -85.309,91.086 -85.865,89.975 -86.42,91.086 ; -86.42,94.975 -85.865,95.253 -85.309,94.975 -85.587,95.531 -85.309,96.086 -85.865,95.808 -86.42,96.086 -86.143,95.531 -86.42,94.975 ; -86.42,97.475 -85.865,97.753 -85.309,97.475 -85.587,98.031 -85.309,98.586 -85.865,98.308 -86.42,98.586 -86.143,98.031 -86.42,97.475 ; -86.42,100.531 -85.865,99.975 -85.309,100.531 -85.865,101.086 -86.42,100.531 ; -86.42,102.475 -85.309,102.475 -85.309,103.586 -86.42,103.586 -86.42,102.475 ; -86.42,107.753 -86.143,107.753 -85.865,107.475 -85.587,107.753 -85.309,107.753 -85.587,108.031 -85.309,108.308 -85.587,108.308 -85.865,108.586 -86.143,108.308 -86.42,108.308 -86.143,108.031 -86.42,107.753 ; -86.198,95.197 -85.865,95.364 -85.531,95.197 -85.698,95.531 -85.531,95.864 -85.865,95.697 -86.198,95.864 -86.031,95.531 -86.198,95.197 ; -86.198,107.864 -86.031,107.864 -85.865,107.697 -85.698,107.864 -85.531,107.864 -85.698,108.031 -85.531,108.197 -85.698,108.197 -85.865,108.364 -86.031,108.197 -86.198,108.197 -86.031,108.031 -86.198,107.864
  lines w0.381: -87.427,86.725 126.587,86.725 ; -87.427,109.225 126.587,109.225 ; -78.139,84.225 -78.139,111.725 ; -67.242,84.225 -67.242,111.725 ; -48.514,84.225 -48.514,111.725 ; -39.976,84.225 -39.976,111.725 ; -27.64,84.225 -27.64,111.725 ; -7.706,84.225 -7.706,111.725 ; 2.232,84.225 2.232,111.725 ; 14.769,84.225 14.769,111.725 ; 25.706,84.225 25.706,111.725 ; 40.042,84.225 40.042,111.725 ; 62.375,84.225 62.375,111.725 ; 84.709,84.225 84.709,111.725 ; 103.103,84.225 103.103,111.725 ; -87.427,84.225 126.587,84.225 126.587,111.725 -87.427,111.725 -87.427,84.225
  text "Symbol" at -85.927,109.975 h1.2
  text "Count" at -77.389,109.975 h1.2
  text "Hole Size" at -66.492,109.975 h1.2
  text "Plated" at -47.764,109.975 h1.2
  text "Hole Type" at -39.226,109.975 h1.2
  text "Drill Layer Pair" at -26.89,109.975 h1.2
  text "Via/Pad" at -6.956,109.975 h1.2
  text "Pad Shape" at 2.982,109.975 h1.2
  text "Template" at 15.519,109.975 h1.2
  text "Description" at 26.456,109.975 h1.2
  text "Hole Tolerance (+)" at 40.792,109.975 h1.2
  text "Hole Tolerance (-)" at 63.125,109.975 h1.2
  text "Hole Length" at 85.459,109.975 h1.2
  text "Routed Path Length" at 103.853,109.975 h1.2
  text "3" at -77.389,107.475 h1
  text "0.800mm (31.50mil)" at -66.492,107.475 h1
  text "PTH" at -47.764,107.475 h1
  text "Slot" at -39.226,107.475 h1
  text "Top - Bottom" at -26.89,107.475 h1
  text "Pad" at -6.956,107.475 h1
  text "Rounded" at 2.982,107.475 h1
  text "(Mixed)" at 15.519,107.475 h1
  text "2.000mm (78.74mil)" at 85.459,107.475 h1
  text "1.200mm (47.24mil)" at 103.853,107.475 h1
  text "4" at -77.389,104.975 h1
  text "0.750mm (29.53mil)" at -66.492,104.975 h1
  text "PTH" at -47.764,104.975 h1
  text "Round" at -39.226,104.975 h1
  text "Top - Bottom" at -26.89,104.975 h1
  text "Pad" at -6.956,104.975 h1
  text "(Mixed)" at 2.982,104.975 h1
  text "(Mixed)" at 15.519,104.975 h1
  text "-" at 85.459,104.975 h1
  text "-" at 103.853,104.975 h1
  text "4" at -77.389,102.475 h1
  text "3.000mm (118.11mil)" at -66.492,102.475 h1
  text "PTH" at -47.764,102.475 h1
  text "Round" at -39.226,102.475 h1
  text "Top - Bottom" at -26.89,102.475 h1
  text "Pad" at -6.956,102.475 h1
  text "Rounded" at 2.982,102.475 h1
  text "c500h300" at 15.519,102.475 h1
  text "-" at 85.459,102.475 h1
  text "-" at 103.853,102.475 h1
  text "5" at -77.389,99.975 h1
  text "0.381mm (15.00mil)" at -66.492,99.975 h1
  text "PTH" at -47.764,99.975 h1
  text "Round" at -39.226,99.975 h1
  text "Top - Bottom" at -26.89,99.975 h1
  text "Pad" at -6.956,99.975 h1
  text "Rounded" at 2.982,99.975 h1
  text "c66h38mx0" at 15.519,99.975 h1
  text "-" at 85.459,99.975 h1
  text "-" at 103.853,99.975 h1
  text "5" at -77.389,97.475 h1
  text "0.965mm (38.00mil)" at -66.492,97.475 h1
  text "PTH" at -47.764,97.475 h1
  text "Round" at -39.226,97.475 h1
  text "Top - Bottom" at -26.89,97.475 h1
  text "Pad" at -6.956,97.475 h1
  text "(Mixed)" at 2.982,97.475 h1
  text "(Mixed)" at 15.519,97.475 h1
  text "-" at 85.459,97.475 h1
  text "-" at 103.853,97.475 h1
  text "5" at -77.389,94.975 h1
  text "1.250mm (49.21mil)" at -66.492,94.975 h1
  text "PTH" at -47.764,94.975 h1
  text "Round" at -39.226,94.975 h1
  text "Top - Bottom" at -26.89,94.975 h1
  text "Pad" at -6.956,94.975 h1
  text "Rounded" at 2.982,94.975 h1
  text "c175h125" at 15.519,94.975 h1
  text "-" at 85.459,94.975 h1
  text "-" at 103.853,94.975 h1
  text "8" at -77.389,92.475 h1
  text "0.900mm (35.43mil)" at -66.492,92.475 h1
  text "PTH" at -47.764,92.475 h1
  text "Round" at -39.226,92.475 h1
  text "Top - Bottom" at -26.89,92.475 h1
  text "Pad" at -6.956,92.475 h1
  text "(Mixed)" at 2.982,92.475 h1
  text "(Mixed)" at 15.519,92.475 h1
  text "-" at 85.459,92.475 h1
  text "-" at 103.853,92.475 h1
  text "14" at -77.389,89.975 h1
  text "1.000mm (39.37mil)" at -66.492,89.975 h1
  text "NPTH" at -47.764,89.975 h1
  text "Round" at -39.226,89.975 h1
  text "Top - Bottom" at -26.89,89.975 h1
  text "Pad" at -6.956,89.975 h1
  text "Rounded" at 2.982,89.975 h1
  text "(Mixed)" at 15.519,89.975 h1
  text "-" at 85.459,89.975 h1
  text "-" at 103.853,89.975 h1
  text "2099" at -77.389,87.475 h1
  text "0.200mm (7.87mil)" at -66.492,87.475 h1
  text "PTH" at -47.764,87.475 h1
  text "Round" at -39.226,87.475 h1
  text "Top - Bottom" at -26.89,87.475 h1
  text "Via" at -6.956,87.475 h1
  text "Rounded" at 2.982,87.475 h1
  text "(Mixed)" at 15.519,87.475 h1
  text "-" at 85.459,87.475 h1
  text "-" at 103.853,87.475 h1
  text "A" at -86.435,87.275 h1.11
  text "2147 Total" at -77.389,84.975 h1
  text "Slot definitions :" at -85.927,82.492 h1
  text "Routed Path Length" at -68.622,82.492 h1
  text "= Calculated from tool start centre position to tool end centre position." at -50.151,82.492 h1
  text "Hole Length" at -68.622,80.759 h1
  text "= Routed Path Length + Tool Size = Slot length as defined in the PCB layout" at -56.982,80.759 h1

## Dimensions
-9.2,69.2 to -9.2,-9.2 on Mechanical1
-9.2,69.2 to 109.2,69.2 on Mechanical1
0,58.73 to 100,58.73 on Mechanical1
1.27,60 to 1.27,0 on Mechanical1

## Text inside footprints (layer, text, board x,y; h text height)
J1: ASM TOP "in" at 94.425,19.15 h0.55
J2: ASM TOP "in" at 90.5,5.425 h0.55
J3: ASM TOP "in" at 72.7,54 h0.55
J4: ASM TOP "in" at 66.175,54.225 h0.55
J5: ASM TOP "in" at 79.1,53.975 h0.55
J6: ASM TOP "in" at 78.34,6.75 h0.55
J7: ASM TOP "in" at 65.525,6.275 h0.55
J8: ASM TOP "in" at 91.675,49.025 h0.55
J9: ASM TOP "in" at 85.55,53.8 h0.55
J10: ASM TOP "in" at 94.95,38.775 h0.55
J11: TopOverlay "10" at 23.975,53.3 h0.6; TopOverlay "2" at 24.025,57.575 h0.6; TopOverlay "9" at 16.075,52.2 h0.6; TopOverlay "1" at 16.1,57.5 h0.6
J12: TopOverlay "10" at 13.85,51.675 h0.6; TopOverlay "2" at 13.825,57.5 h0.6; TopOverlay "9" at 7.025,50.8 h0.6; TopOverlay "1" at 6.15,57.525 h0.6
J16: TopOverlay "10" at 14.95,24.975 h0.65 r90; TopOverlay "2" at 9.85,24.975 h0.65 r90; TopOverlay "9" at 16.325,18.15 h0.65 r90; TopOverlay "1" at 9.75,17 h0.65 r90
J18: ASM TOP "in" at 14.8,47.175 h0.55
J19: ASM TOP "in" at 10.325,47.075 h0.55
L1: ASM TOP "no polarity" at 22.35,14.175 h0.55
L2: ASM TOP "no polarity" at 34.575,14.5 h0.55
LED1: ASM TOP "C" at 0.825,46.675 h0.55 r270; ASM TOP "A" at 0.825,48.475 h0.55 r270
LED2: ASM TOP "C" at 0.825,42.1 h0.55 r270; ASM TOP "A" at 0.825,43.9 h0.55 r270
LED7: ASM TOP "A" at 2.475,48.475 h0.55 r270; ASM TOP "C" at 2.475,46.675 h0.55 r270
LED8: ASM TOP "A" at 2.5,43.9 h0.55 r270; ASM TOP "C" at 2.5,42.1 h0.55 r270
LEDS1: ASM TOP "PCB edge" at -0.375,45.575 h0.5 r90; ASM TOP "C" at 5.3,45.9 h0.55 r90; ASM TOP "A" at 5.2,48.4 h0.55 r90; ASM TOP "C" at 7.8,46 h0.55 r90; ASM TOP "A" at 7.7,48.4 h0.55 r90
LEDS2: ASM TOP "A" at 7.7,43.775 h0.55 r90; ASM TOP "C" at 7.8,41.375 h0.55 r90; ASM TOP "A" at 5.2,43.775 h0.55 r90; ASM TOP "C" at 5.3,41.275 h0.55 r90; ASM TOP "PCB edge" at -0.35,40.875 h0.5 r90
VD1: ASM TOP "A" at 12.2,4.575 h0.55; ASM TOP "C" at 8.3,4.575 h0.55